# Altium PCB RabbitMask.PcbDoc (part 3 of 5) (continued)
## Classes and differential pairs
channel class LED_B: LEDB1 LEDB2 LEDB3 LEDB4 LEDB5 LEDB6 LEDB7 LEDB8 LEDB9 LEDB10 LEDB11 LEDB12 LEDB13 LEDB14 LEDB15 LEDB16 LEDB17 LEDB18 LEDB19 LEDB20 LEDB21 LEDB22 LEDB23 LEDB24 LEDB25 LEDB26 LEDB27 LEDB28 LEDB29 LEDB30 LEDB31 LEDB32 LEDB33 LEDB34 LEDB35 LEDB36 LEDB37 LEDB38 LEDB39 LEDB40 LEDB41 LEDB42 LEDB43 LEDB44 LEDB45 LEDB46 LEDB47 LEDB48 LEDB49 LEDB50 LEDB51 LEDB52 LEDB53 LEDB54 LEDB55 LEDB56 LEDB57 LEDB58 LEDB59 LEDB60 LEDB61 LEDB62 LEDB63 LEDB64 LEDB65 LEDB66 LEDB67 LEDB68 LEDB69 LEDB70 LEDB71 LEDB72 LEDB73 LEDB74 LEDB75 LEDB76 LEDB77 LEDB78 LEDB79 LEDB80 LEDB81 LEDB82 LEDB83 LEDB84 LEDB85 LEDB86 LEDB87 LEDB88 LEDB89 LEDB90 LEDB91 LEDB92 LEDB93 LEDB94 LEDB95 LEDB96 LEDB97 LEDB98 LEDB99 LEDB100 LEDB101 LEDB102 LEDB103 LEDB104 LEDB105 LEDB106 LEDB107 LEDB108 LEDB109 LEDB110 LEDB111 LEDB112 LEDB113 LEDB114 LEDB115 LEDB116 LEDB117 LEDB118 LEDB119 LEDB120 LEDB121 LEDB122 LEDB123 LEDB124 LEDB125 LEDB126 LEDB127 LEDB128 LEDB129 LEDB130 LEDB131 LEDB132 LEDB133 LEDB134 LEDB135 LEDB136 LEDB137 LEDB138 LEDB139 LEDB140 LEDB141 LEDB142 LEDB143 LEDB144 LEDB145 LEDB146 LEDB147 LEDB148 LEDB149 LEDB150 LEDB151 LEDB152 LEDB153 LEDB154 LEDB155 LEDB156 LEDB157 LEDB158 LEDB159 LEDB160 LEDB161 LEDB162 LEDB163 LEDB164 LEDB165 LEDB166 LEDB167 LEDB168 LEDB169 LEDB170 LEDB171 LEDB172 LEDB173 LEDB174 LEDB175 LEDB176 LEDB177 LEDB178 LEDB179 LEDB180 LEDB181 LEDB182 LEDB183 LEDB184 LEDB185 LEDB186 LEDB187 LEDB188 LEDB189 LEDB190 LEDB191 LEDB192 LEDB193 LEDB194 LEDB195 LEDB196 LEDB197 LEDB198 LEDB199 LEDB200 LEDB201 LEDB202 LEDB203 LEDB204 LEDB205 LEDB206 LEDB207 LEDB208 LEDB209 LEDB210 LEDB211 LEDB212 LEDB213 LEDB214 LEDB215 LEDB216 LEDB217 LEDB218 LEDB219 LEDB220 LEDB221 LEDB222 LEDB223 LEDB224 LEDB225 LEDB226 LEDB227 LEDB228 LEDB229 LEDB230 LEDB231 LEDB232 LEDB233 LEDB234 LEDB235 LEDB236 LEDB237 LEDB238 LEDB239 LEDB240 LEDB241 LEDB242 LEDB243 LEDB244 LEDB245 LEDB246 LEDB247 LEDB248 LEDB249 LEDB250 LEDB251 LEDB252 LEDB253 LEDB254 LEDB255 LEDB256 LEDB257 LEDB258 LEDB259 LEDB260 LEDB261 LEDB262 LEDB263 LEDB264 LEDB265 LEDB266 LEDB267 LEDB268 LEDB269 LEDB270 LEDB271 LEDB272 LEDB273 LEDB274 LEDB275 LEDB276 LEDB277 LEDB278 LEDB279 LEDB280 LEDB281 LEDB282 LEDB283 LEDB284 LEDB285 LEDB286 LEDB287 LEDB288 LEDB289 LEDB290 LEDB291 LEDB292 LEDB293 LEDB294 LEDB295 LEDB296 LEDB297 LEDB298 LEDB299
channel class LED_A: LEDA1 LEDA2 LEDA3 LEDA4 LEDA5 LEDA6 LEDA7 LEDA8 LEDA9 LEDA10 LEDA11 LEDA12 LEDA13 LEDA14 LEDA15 LEDA16 LEDA17 LEDA18 LEDA19 LEDA20 LEDA21 LEDA22 LEDA23 LEDA24 LEDA25 LEDA26 LEDA27 LEDA28 LEDA29 LEDA30 LEDA31 LEDA32 LEDA33 LEDA34 LEDA35 LEDA36 LEDA37 LEDA38 LEDA39 LEDA40 LEDA41 LEDA42 LEDA43 LEDA44 LEDA45 LEDA46 LEDA47 LEDA48 LEDA49 LEDA50 LEDA51 LEDA52 LEDA53 LEDA54 LEDA55 LEDA56 LEDA57 LEDA58 LEDA59 LEDA60 LEDA61 LEDA62 LEDA63 LEDA64 LEDA65 LEDA66 LEDA67 LEDA68 LEDA69 LEDA70 LEDA71 LEDA72 LEDA73 LEDA74 LEDA75 LEDA76 LEDA77 LEDA78 LEDA79 LEDA80 LEDA81 LEDA82 LEDA83 LEDA84 LEDA85 LEDA86 LEDA87 LEDA88 LEDA89 LEDA90 LEDA91 LEDA92 LEDA93 LEDA94 LEDA95 LEDA96 LEDA97 LEDA98 LEDA99 LEDA100 LEDA101 LEDA102 LEDA103 LEDA104 LEDA105 LEDA106 LEDA107 LEDA108 LEDA109 LEDA110 LEDA111 LEDA112 LEDA113 LEDA114 LEDA115 LEDA116 LEDA117 LEDA118 LEDA119 LEDA120 LEDA121 LEDA122 LEDA123 LEDA124 LEDA125 LEDA126 LEDA127 LEDA128 LEDA129 LEDA130 LEDA131 LEDA132 LEDA133 LEDA134 LEDA135 LEDA136 LEDA137 LEDA138 LEDA139 LEDA140 LEDA141 LEDA142 LEDA143 LEDA144 LEDA145 LEDA146 LEDA147 LEDA148 LEDA149 LEDA150 LEDA151 LEDA152 LEDA153 LEDA154 LEDA155 LEDA156 LEDA157 LEDA158 LEDA159 LEDA160 LEDA161 LEDA162 LEDA163 LEDA164 LEDA165 LEDA166 LEDA167 LEDA168 LEDA169 LEDA170 LEDA171 LEDA172 LEDA173 LEDA174 LEDA175 LEDA176 LEDA177 LEDA178 LEDA179 LEDA180 LEDA181 LEDA182 LEDA183 LEDA184 LEDA185 LEDA186 LEDA187 LEDA188 LEDA189 LEDA190 LEDA191 LEDA192 LEDA193 LEDA194 LEDA195 LEDA196 LEDA197 LEDA198 LEDA199 LEDA200 LEDA201 LEDA202 LEDA203 LEDA204 LEDA205 LEDA206 LEDA207 LEDA208 LEDA209 LEDA210 LEDA211 LEDA212 LEDA213 LEDA214 LEDA215 LEDA216 LEDA217 LEDA218 LEDA219 LEDA220 LEDA221 LEDA222 LEDA223 LEDA224 LEDA225 LEDA226 LEDA227 LEDA228 LEDA229 LEDA230 LEDA231 LEDA232 LEDA233 LEDA234 LEDA235 LEDA236 LEDA237 LEDA238 LEDA239 LEDA240 LEDA241 LEDA242 LEDA243 LEDA244 LEDA245 LEDA246 LEDA247 LEDA248 LEDA249 LEDA250 LEDA251 LEDA252 LEDA253 LEDA254 LEDA255 LEDA256 LEDA257 LEDA258 LEDA259 LEDA260 LEDA261 LEDA262 LEDA263 LEDA264 LEDA265 LEDA266 LEDA267 LEDA268 LEDA269 LEDA270 LEDA271 LEDA272 LEDA273 LEDA274 LEDA275 LEDA276 LEDA277 LEDA278 LEDA279 LEDA280 LEDA281 LEDA282 LEDA283 LEDA284 LEDA285 LEDA286 LEDA287 LEDA288 LEDA289 LEDA290 LEDA291 LEDA292 LEDA293 LEDA294 LEDA295 LEDA296 LEDA297 LEDA298 LEDA299
net class B_DI[2..299]: B_DI2 B_DI3 B_DI4 B_DI5 B_DI6 B_DI7 B_DI8 B_DI9 B_DI10 B_DI11 B_DI12 B_DI13 B_DI14 B_DI15 B_DI16 B_DI17 B_DI18 B_DI19 B_DI20 B_DI21 B_DI22 B_DI23 B_DI24 B_DI25 B_DI26 B_DI27 B_DI28 B_DI29 B_DI30 B_DI31 B_DI32 B_DI33 B_DI34 B_DI35 B_DI36 B_DI37 B_DI38 B_DI39 B_DI40 B_DI41 B_DI42 B_DI43 B_DI44 B_DI45 B_DI46 B_DI47 B_DI48 B_DI49 B_DI50 B_DI51 B_DI52 B_DI53 B_DI54 B_DI55 B_DI56 B_DI57 B_DI58 B_DI59 B_DI60 B_DI61 B_DI62 B_DI63 B_DI64 B_DI65 B_DI66 B_DI67 B_DI68 B_DI69 B_DI70 B_DI71 B_DI72 B_DI73 B_DI74 B_DI75 B_DI76 B_DI77 B_DI78 B_DI79 B_DI80 B_DI81 B_DI82 B_DI83 B_DI84 B_DI85 B_DI86 B_DI87 B_DI88 B_DI89 B_DI90 B_DI91 B_DI92 B_DI93 B_DI94 B_DI95 B_DI96 B_DI97 B_DI98 B_DI99 B_DI100 B_DI101 B_DI102 B_DI103 B_DI104 B_DI105 B_DI106 B_DI107 B_DI108 B_DI109 B_DI110 B_DI111 B_DI112 B_DI113 B_DI114 B_DI115 B_DI116 B_DI117 B_DI118 B_DI119 B_DI120 B_DI121 B_DI122 B_DI123 B_DI124 B_DI125 B_DI126 B_DI127 B_DI128 B_DI129 B_DI130 B_DI131 B_DI132 B_DI133 B_DI134 B_DI135 B_DI136 B_DI137 B_DI138 B_DI139 B_DI140 B_DI141 B_DI142 B_DI143 B_DI144 B_DI145 B_DI146 B_DI147 B_DI148 B_DI149 B_DI150 B_DI151 B_DI152 B_DI153 B_DI154 B_DI155 B_DI156 B_DI157 B_DI158 B_DI159 B_DI160 B_DI161 B_DI162 B_DI163 B_DI164 B_DI165 B_DI166 B_DI167 B_DI168 B_DI169 B_DI170 B_DI171 B_DI172 B_DI173 B_DI174 B_DI175 B_DI176 B_DI177 B_DI178 B_DI179 B_DI180 B_DI181 B_DI182 B_DI183 B_DI184 B_DI185 B_DI186 B_DI187 B_DI188 B_DI189 B_DI190 B_DI191 B_DI192 B_DI193 B_DI194 B_DI195 B_DI196 B_DI197 B_DI198 B_DI199 B_DI200 B_DI201 B_DI202 B_DI203 B_DI204 B_DI205 B_DI206 B_DI207 B_DI208 B_DI209 B_DI210 B_DI211 B_DI212 B_DI213 B_DI214 B_DI215 B_DI216 B_DI217 B_DI218 B_DI219 B_DI220 B_DI221 B_DI222 B_DI223 B_DI224 B_DI225 B_DI226 B_DI227 B_DI228 B_DI229 B_DI230 B_DI231 B_DI232 B_DI233 B_DI234 B_DI235 B_DI236 B_DI237 B_DI238 B_DI239 B_DI240 B_DI241 B_DI242 B_DI243 B_DI244 B_DI245 B_DI246 B_DI247 B_DI248 B_DI249 B_DI250 B_DI251 B_DI252 B_DI253 B_DI254 B_DI255 B_DI256 B_DI257 B_DI258 B_DI259 B_DI260 B_DI261 B_DI262 B_DI263 B_DI264 B_DI265 B_DI266 B_DI267 B_DI268 B_DI269 B_DI270 B_DI271 B_DI272 B_DI273 B_DI274 B_DI275 B_DI276 B_DI277 B_DI278 B_DI279 B_DI280 B_DI281 B_DI282 B_DI283 B_DI284 B_DI285 B_DI286 B_DI287 B_DI288 B_DI289 B_DI290 B_DI291 B_DI292 B_DI293 B_DI294 B_DI295 B_DI296 B_DI297 B_DI298 B_DI299
net class B_CI[2..299]: B_CI2 B_CI3 B_CI4 B_CI5 B_CI6 B_CI7 B_CI8 B_CI9 B_CI10 B_CI11 B_CI12 B_CI13 B_CI14 B_CI15 B_CI16 B_CI17 B_CI18 B_CI19 B_CI20 B_CI21 B_CI22 B_CI23 B_CI24 B_CI25 B_CI26 B_CI27 B_CI28 B_CI29 B_CI30 B_CI31 B_CI32 B_CI33 B_CI34 B_CI35 B_CI36 B_CI37 B_CI38 B_CI39 B_CI40 B_CI41 B_CI42 B_CI43 B_CI44 B_CI45 B_CI46 B_CI47 B_CI48 B_CI49 B_CI50 B_CI51 B_CI52 B_CI53 B_CI54 B_CI55 B_CI56 B_CI57 B_CI58 B_CI59 B_CI60 B_CI61 B_CI62 B_CI63 B_CI64 B_CI65 B_CI66 B_CI67 B_CI68 B_CI69 B_CI70 B_CI71 B_CI72 B_CI73 B_CI74 B_CI75 B_CI76 B_CI77 B_CI78 B_CI79 B_CI80 B_CI81 B_CI82 B_CI83 B_CI84 B_CI85 B_CI86 B_CI87 B_CI88 B_CI89 B_CI90 B_CI91 B_CI92 B_CI93 B_CI94 B_CI95 B_CI96 B_CI97 B_CI98 B_CI99 B_CI100 B_CI101 B_CI102 B_CI103 B_CI104 B_CI105 B_CI106 B_CI107 B_CI108 B_CI109 B_CI110 B_CI111 B_CI112 B_CI113 B_CI114 B_CI115 B_CI116 B_CI117 B_CI118 B_CI119 B_CI120 B_CI121 B_CI122 B_CI123 B_CI124 B_CI125 B_CI126 B_CI127 B_CI128 B_CI129 B_CI130 B_CI131 B_CI132 B_CI133 B_CI134 B_CI135 B_CI136 B_CI137 B_CI138 B_CI139 B_CI140 B_CI141 B_CI142 B_CI143 B_CI144 B_CI145 B_CI146 B_CI147 B_CI148 B_CI149 B_CI150 B_CI151 B_CI152 B_CI153 B_CI154 B_CI155 B_CI156 B_CI157 B_CI158 B_CI159 B_CI160 B_CI161 B_CI162 B_CI163 B_CI164 B_CI165 B_CI166 B_CI167 B_CI168 B_CI169 B_CI170 B_CI171 B_CI172 B_CI173 B_CI174 B_CI175 B_CI176 B_CI177 B_CI178 B_CI179 B_CI180 B_CI181 B_CI182 B_CI183 B_CI184 B_CI185 B_CI186 B_CI187 B_CI188 B_CI189 B_CI190 B_CI191 B_CI192 B_CI193 B_CI194 B_CI195 B_CI196 B_CI197 B_CI198 B_CI199 B_CI200 B_CI201 B_CI202 B_CI203 B_CI204 B_CI205 B_CI206 B_CI207 B_CI208 B_CI209 B_CI210 B_CI211 B_CI212 B_CI213 B_CI214 B_CI215 B_CI216 B_CI217 B_CI218 B_CI219 B_CI220 B_CI221 B_CI222 B_CI223 B_CI224 B_CI225 B_CI226 B_CI227 B_CI228 B_CI229 B_CI230 B_CI231 B_CI232 B_CI233 B_CI234 B_CI235 B_CI236 B_CI237 B_CI238 B_CI239 B_CI240 B_CI241 B_CI242 B_CI243 B_CI244 B_CI245 B_CI246 B_CI247 B_CI248 B_CI249 B_CI250 B_CI251 B_CI252 B_CI253 B_CI254 B_CI255 B_CI256 B_CI257 B_CI258 B_CI259 B_CI260 B_CI261 B_CI262 B_CI263 B_CI264 B_CI265 B_CI266 B_CI267 B_CI268 B_CI269 B_CI270 B_CI271 B_CI272 B_CI273 B_CI274 B_CI275 B_CI276 B_CI277 B_CI278 B_CI279 B_CI280 B_CI281 B_CI282 B_CI283 B_CI284 B_CI285 B_CI286 B_CI287 B_CI288 B_CI289 B_CI290 B_CI291 B_CI292 B_CI293 B_CI294 B_CI295 B_CI296 B_CI297 B_CI298 B_CI299
net class DI[2..299]: DI2 DI3 DI4 DI5 DI6 DI7 DI8 DI9 DI10 DI11 DI12 DI13 DI14 DI15 DI16 DI17 DI18 DI19 DI20 DI21 DI22 DI23 DI24 DI25 DI26 DI27 DI28 DI29 DI30 DI31 DI32 DI33 DI34 DI35 DI36 DI37 DI38 DI39 DI40 DI41 DI42 DI43 DI44 DI45 DI46 DI47 DI48 DI49 DI50 DI51 DI52 DI53 DI54 DI55 DI56 DI57 DI58 DI59 DI60 DI61 DI62 DI63 DI64 DI65 DI66 DI67 DI68 DI69 DI70 DI71 DI72 DI73 DI74 DI75 DI76 DI77 DI78 DI79 DI80 DI81 DI82 DI83 DI84 DI85 DI86 DI87 DI88 DI89 DI90 DI91 DI92 DI93 DI94 DI95 DI96 DI97 DI98 DI99 DI100 DI101 DI102 DI103 DI104 DI105 DI106 DI107 DI108 DI109 DI110 DI111 DI112 DI113 DI114 DI115 DI116 DI117 DI118 DI119 DI120 DI121 DI122 DI123 DI124 DI125 DI126 DI127 DI128 DI129 DI130 DI131 DI132 DI133 DI134 DI135 DI136 DI137 DI138 DI139 DI140 DI141 DI142 DI143 DI144 DI145 DI146 DI147 DI148 DI149 DI150 DI151 DI152 DI153 DI154 DI155 DI156 DI157 DI158 DI159 DI160 DI161 DI162 DI163 DI164 DI165 DI166 DI167 DI168 DI169 DI170 DI171 DI172 DI173 DI174 DI175 DI176 DI177 DI178 DI179 DI180 DI181 DI182 DI183 DI184 DI185 DI186 DI187 DI188 DI189 DI190 DI191 DI192 DI193 DI194 DI195 DI196 DI197 DI198 DI199 DI200 DI201 DI202 DI203 DI204 DI205 DI206 DI207 DI208 DI209 DI210 DI211 DI212 DI213 DI214 DI215 DI216 DI217 DI218 DI219 DI220 DI221 DI222 DI223 DI224 DI225 DI226 DI227 DI228 DI229 DI230 DI231 DI232 DI233 DI234 DI235 DI236 DI237 DI238 DI239 DI240 DI241 DI242 DI243 DI244 DI245 DI246 DI247 DI248 DI249 DI250 DI251 DI252 DI253 DI254 DI255 DI256 DI257 DI258 DI259 DI260 DI261 DI262 DI263 DI264 DI265 DI266 DI267 DI268 DI269 DI270 DI271 DI272 DI273 DI274 DI275 DI276 DI277 DI278 DI279 DI280 DI281 DI282 DI283 DI284 DI285 DI286 DI287 DI288 DI289 DI290 DI291 DI292 DI293 DI294 DI295 DI296 DI297 DI298 DI299
net class CI[2..299]: CI2 CI3 CI4 CI5 CI6 CI7 CI8 CI9 CI10 CI11 CI12 CI13 CI14 CI15 CI16 CI17 CI18 CI19 CI20 CI21 CI22 CI23 CI24 CI25 CI26 CI27 CI28 CI29 CI30 CI31 CI32 CI33 CI34 CI35 CI36 CI37 CI38 CI39 CI40 CI41 CI42 CI43 CI44 CI45 CI46 CI47 CI48 CI49 CI50 CI51 CI52 CI53 CI54 CI55 CI56 CI57 CI58 CI59 CI60 CI61 CI62 CI63 CI64 CI65 CI66 CI67 CI68 CI69 CI70 CI71 CI72 CI73 CI74 CI75 CI76 CI77 CI78 CI79 CI80 CI81 CI82 CI83 CI84 CI85 CI86 CI87 CI88 CI89 CI90 CI91 CI92 CI93 CI94 CI95 CI96 CI97 CI98 CI99 CI100 CI101 CI102 CI103 CI104 CI105 CI106 CI107 CI108 CI109 CI110 CI111 CI112 CI113 CI114 CI115 CI116 CI117 CI118 CI119 CI120 CI121 CI122 CI123 CI124 CI125 CI126 CI127 CI128 CI129 CI130 CI131 CI132 CI133 CI134 CI135 CI136 CI137 CI138 CI139 CI140 CI141 CI142 CI143 CI144 CI145 CI146 CI147 CI148 CI149 CI150 CI151 CI152 CI153 CI154 CI155 CI156 CI157 CI158 CI159 CI160 CI161 CI162 CI163 CI164 CI165 CI166 CI167 CI168 CI169 CI170 CI171 CI172 CI173 CI174 CI175 CI176 CI177 CI178 CI179 CI180 CI181 CI182 CI183 CI184 CI185 CI186 CI187 CI188 CI189 CI190 CI191 CI192 CI193 CI194 CI195 CI196 CI197 CI198 CI199 CI200 CI201 CI202 CI203 CI204 CI205 CI206 CI207 CI208 CI209 CI210 CI211 CI212 CI213 CI214 CI215 CI216 CI217 CI218 CI219 CI220 CI221 CI222 CI223 CI224 CI225 CI226 CI227 CI228 CI229 CI230 CI231 CI232 CI233 CI234 CI235 CI236 CI237 CI238 CI239 CI240 CI241 CI242 CI243 CI244 CI245 CI246 CI247 CI248 CI249 CI250 CI251 CI252 CI253 CI254 CI255 CI256 CI257 CI258 CI259 CI260 CI261 CI262 CI263 CI264 CI265 CI266 CI267 CI268 CI269 CI270 CI271 CI272 CI273 CI274 CI275 CI276 CI277 CI278 CI279 CI280 CI281 CI282 CI283 CI284 CI285 CI286 CI287 CI288 CI289 CI290 CI291 CI292 CI293 CI294 CI295 CI296 CI297 CI298 CI299

## Components (designator, comment, footprint, x,y, rotation, side; value= is the part's Value field where it differs from the comment)
U1_1 "a" LED_HD107s-2020#1 32,140 r180 top (schematic designator U1)
U1_2 "a" LED_HD107s-2020#1 36,140 r180 top (schematic designator U1)
U1_3 "a" LED_HD107s-2020#1 40,140 r180 top (schematic designator U1)
U1_4 "a" LED_HD107s-2020#1 44,140 r180 top (schematic designator U1)
U1_5 "a" LED_HD107s-2020#1 48,140 r180 top (schematic designator U1)
U1_6 "a" LED_HD107s-2020#1 52,140 r180 top (schematic designator U1)
U1_7 "a" LED_HD107s-2020#1 56,140 r180 top (schematic designator U1)
U1_8 "a" LED_HD107s-2020#1 60,140 r180 top (schematic designator U1)
U1_9 "a" LED_HD107s-2020#1 64,140 r180 top (schematic designator U1)
U1_10 "a" LED_HD107s-2020#1 68,140 r180 top (schematic designator U1)
U1_11 "a" LED_HD107s-2020#1 72,140 r180 top (schematic designator U1)
U1_12 "HD107s 2020" LED_HD107s-2020#1 367.183,33.894 r0 top (schematic designator U1)
U1_13 "HD107s 2020" LED_HD107s-2020#1 367.183,41.894 r0 top (schematic designator U1)
U1_14 "HD107s 2020" LED_HD107s-2020#1 367.183,53.894 r0 top (schematic designator U1)
U1_15 "HD107s 2020" LED_HD107s-2020#1 367.183,61.894 r0 top (schematic designator U1)
U1_16 "HD107s 2020" LED_HD107s-2020#1 367.183,69.894 r0 top (schematic designator U1)
U1_17 "HD107s 2020" LED_HD107s-2020#1 367.183,81.894 r0 top (schematic designator U1)
U1_18 "HD107s 2020" LED_HD107s-2020#1 367.183,89.894 r0 top (schematic designator U1)
U1_19 "HD107s 2020" LED_HD107s-2020#1 367.183,97.894 r0 top (schematic designator U1)
U1_20 "HD107s 2020" LED_HD107s-2020#1 367.183,109.894 r0 top (schematic designator U1)
U1_21 "HD107s 2020" LED_HD107s-2020#1 367.183,117.894 r0 top (schematic designator U1)
U1_22 "HD107s 2020" LED_HD107s-2020#1 367.183,125.894 r0 top (schematic designator U1)
U1_23 "HD107s 2020" LED_HD107s-2020#1 367.183,137.894 r0 top (schematic designator U1)
U1_24 "HD107s 2020" LED_HD107s-2020#1 367.2,144.9 r0 top (schematic designator U1)
U1_25 "HD107s 2020" LED_HD107s-2020#1 367.183,153.894 r0 top (schematic designator U1)
U1_26 "HD107s 2020" LED_HD107s-2020#1 367.183,161.894 r0 top (schematic designator U1)
U1_27 "HD107s 2020" LED_HD107s-2020#1 367.183,173.894 r0 top (schematic designator U1)
U1_28 "HD107s 2020" LED_HD107s-2020#1 367.183,181.894 r0 top (schematic designator U1)
U1_29 "HD107s 2020" LED_HD107s-2020#1 367.183,189.894 r0 top (schematic designator U1)
U1_30 "HD107s 2020" LED_HD107s-2020#1 367.183,201.894 r0 top (schematic designator U1)
U1_31 "HD107s 2020" LED_HD107s-2020#1 367.183,209.894 r0 top (schematic designator U1)
U1_32 "HD107s 2020" LED_HD107s-2020#1 367.183,217.894 r0 top (schematic designator U1)
U1_33 "HD107s 2020" LED_HD107s-2020#1 367.183,229.894 r0 top (schematic designator U1)
U1_34 "HD107s 2020" LED_HD107s-2020#1 367.183,237.894 r0 top (schematic designator U1)
U1_35 "HD107s 2020" LED_HD107s-2020#1 367.183,245.894 r0 top (schematic designator U1)
U1_36 "HD107s 2020" LED_HD107s-2020#1 367.183,257.894 r0 top (schematic designator U1)
U1_37 "HD107s 2020" LED_HD107s-2020#1 367.183,265.894 r0 top (schematic designator U1)
U1_38 "HD107s 2020" LED_HD107s-2020#1 367.183,273.894 r0 top (schematic designator U1)
U1_39 "HD107s 2020" LED_HD107s-2020#1 367.183,285.894 r0 top (schematic designator U1)
U1_40 "HD107s 2020" LED_HD107s-2020#1 367.183,293.894 r0 top (schematic designator U1)
U1_41 "HD107s 2020" LED_HD107s-2020#1 367.183,301.894 r0 top (schematic designator U1)
U1_42 "HD107s 2020" LED_HD107s-2020#1 367.183,313.894 r0 top (schematic designator U1)
U1_43 "HD107s 2020" LED_HD107s-2020#1 367.183,321.894 r0 top (schematic designator U1)
U1_44 "HD107s 2020" LED_HD107s-2020#1 367.183,329.894 r0 top (schematic designator U1)
U1_45 "HD107s 2020" LED_HD107s-2020#1 367.183,341.894 r0 top (schematic designator U1)
U1_46 "HD107s 2020" LED_HD107s-2020#1 367.183,349.894 r0 top (schematic designator U1)
U1_47 "HD107s 2020" LED_HD107s-2020#1 367.183,357.894 r0 top (schematic designator U1)
U1_48 "HD107s 2020" LED_HD107s-2020#1 367.183,365.894 r0 top (schematic designator U1)
U1_49 "HD107s 2020" LED_HD107s-2020#1 367.183,377.894 r0 top (schematic designator U1)
U1_50 "HD107s 2020" LED_HD107s-2020#1 367.183,385.894 r0 top (schematic designator U1)
U1_51 "HD107s 2020" LED_HD107s-2020#1 367.183,393.894 r0 top (schematic designator U1)
U1_52 "HD107s 2020" LED_HD107s-2020#1 367.183,405.894 r0 top (schematic designator U1)
U1_53 "HD107s 2020" LED_HD107s-2020#1 367.183,413.894 r0 top (schematic designator U1)
U1_54 "HD107s 2020" LED_HD107s-2020#1 367.183,421.894 r0 top (schematic designator U1)
U1_55 "HD107s 2020" LED_HD107s-2020#1 367.183,433.894 r0 top (schematic designator U1)
U1_56 "HD107s 2020" LED_HD107s-2020#1 367.183,441.894 r0 top (schematic designator U1)
U1_57 "HD107s 2020" LED_HD107s-2020#1 367.183,449.894 r0 top (schematic designator U1)
U1_58 "HD107s 2020" LED_HD107s-2020#1 367.183,461.894 r0 top (schematic designator U1)
U1_59 "HD107s 2020" LED_HD107s-2020#1 367.183,469.894 r0 top (schematic designator U1)
U1_60 "HD107s 2020" LED_HD107s-2020#1 367.183,477.894 r0 top (schematic designator U1)
U1_61 "HD107s 2020" LED_HD107s-2020#1 367.183,489.894 r0 top (schematic designator U1)
U1_62 "HD107s 2020" LED_HD107s-2020#1 367.183,497.894 r0 top (schematic designator U1)
U1_63 "HD107s 2020" LED_HD107s-2020#1 367.183,505.894 r0 top (schematic designator U1)
U1_64 "HD107s 2020" LED_HD107s-2020#1 367.183,517.894 r0 top (schematic designator U1)
U1_65 "HD107s 2020" LED_HD107s-2020#1 367.183,525.894 r0 top (schematic designator U1)
U1_66 "HD107s 2020" LED_HD107s-2020#1 367.183,533.894 r0 top (schematic designator U1)
U1_67 "HD107s 2020" LED_HD107s-2020#1 367.183,545.894 r0 top (schematic designator U1)
U1_68 "HD107s 2020" LED_HD107s-2020#1 367.183,553.894 r0 top (schematic designator U1)
U1_69 "HD107s 2020" LED_HD107s-2020#1 367.183,561.894 r0 top (schematic designator U1)
U1_70 "HD107s 2020" LED_HD107s-2020#1 367.183,569.894 r0 top (schematic designator U1)
U1_71 "HD107s 2020" LED_HD107s-2020#1 367.183,581.894 r0 top (schematic designator U1)
U1_72 "HD107s 2020" LED_HD107s-2020#1 367.183,589.894 r0 top (schematic designator U1)
U1_73 "HD107s 2020" LED_HD107s-2020#1 367.183,597.894 r0 top (schematic designator U1)
U1_74 "HD107s 2020" LED_HD107s-2020#1 367.183,609.894 r0 top (schematic designator U1)
U1_75 "HD107s 2020" LED_HD107s-2020#1 367.183,617.894 r0 top (schematic designator U1)
U1_76 "HD107s 2020" LED_HD107s-2020#1 367.183,625.894 r0 top (schematic designator U1)
U1_77 "HD107s 2020" LED_HD107s-2020#1 367.183,637.894 r0 top (schematic designator U1)
U1_78 "HD107s 2020" LED_HD107s-2020#1 367.183,645.894 r0 top (schematic designator U1)
U1_79 "HD107s 2020" LED_HD107s-2020#1 367.183,653.894 r0 top (schematic designator U1)
U1_80 "HD107s 2020" LED_HD107s-2020#1 367.183,665.894 r0 top (schematic designator U1)
U1_81 "HD107s 2020" LED_HD107s-2020#1 367.183,673.894 r0 top (schematic designator U1)
U1_82 "HD107s 2020" LED_HD107s-2020#1 367.183,681.894 r0 top (schematic designator U1)
U1_83 "HD107s 2020" LED_HD107s-2020#1 367.183,693.894 r0 top (schematic designator U1)
U1_84 "HD107s 2020" LED_HD107s-2020#1 367.183,701.894 r0 top (schematic designator U1)
U1_85 "HD107s 2020" LED_HD107s-2020#1 367.183,709.894 r0 top (schematic designator U1)
U1_86 "HD107s 2020" LED_HD107s-2020#1 367.183,721.894 r0 top (schematic designator U1)
U1_87 "HD107s 2020" LED_HD107s-2020#1 367.183,729.894 r0 top (schematic designator U1)
U1_88 "HD107s 2020" LED_HD107s-2020#1 367.183,737.894 r0 top (schematic designator U1)
U1_89 "HD107s 2020" LED_HD107s-2020#1 367.183,745.894 r0 top (schematic designator U1)
U1_90 "HD107s 2020" LED_HD107s-2020#1 367.183,757.894 r0 top (schematic designator U1)
U1_91 "HD107s 2020" LED_HD107s-2020#1 367.183,765.894 r0 top (schematic designator U1)
U1_92 "HD107s 2020" LED_HD107s-2020#1 367.183,773.894 r0 top (schematic designator U1)
U1_93 "HD107s 2020" LED_HD107s-2020#1 367.183,785.894 r0 top (schematic designator U1)
U1_94 "HD107s 2020" LED_HD107s-2020#1 367.183,793.894 r0 top (schematic designator U1)
U1_95 "HD107s 2020" LED_HD107s-2020#1 367.183,801.894 r0 top (schematic designator U1)
U1_96 "HD107s 2020" LED_HD107s-2020#1 367.183,813.894 r0 top (schematic designator U1)
U1_97 "HD107s 2020" LED_HD107s-2020#1 367.183,821.894 r0 top (schematic designator U1)
U1_98 "HD107s 2020" LED_HD107s-2020#1 367.183,829.894 r0 top (schematic designator U1)
U1_99 "HD107s 2020" LED_HD107s-2020#1 367.183,841.894 r0 top (schematic designator U1)
U1_100 "HD107s 2020" LED_HD107s-2020#1 367.183,849.894 r0 top (schematic designator U1)
U1_101 "HD107s 2020" LED_HD107s-2020#1 367.183,857.894 r0 top (schematic designator U1)
U1_102 "HD107s 2020" LED_HD107s-2020#1 367.183,869.894 r0 top (schematic designator U1)
U1_103 "HD107s 2020" LED_HD107s-2020#1 367.183,877.894 r0 top (schematic designator U1)
U1_104 "HD107s 2020" LED_HD107s-2020#1 367.183,885.894 r0 top (schematic designator U1)
U1_105 "HD107s 2020" LED_HD107s-2020#1 367.183,897.894 r0 top (schematic designator U1)
U1_106 "HD107s 2020" LED_HD107s-2020#1 367.183,905.894 r0 top (schematic designator U1)
U1_107 "HD107s 2020" LED_HD107s-2020#1 367.183,913.894 r0 top (schematic designator U1)
U1_108 "HD107s 2020" LED_HD107s-2020#1 367.183,925.894 r0 top (schematic designator U1)
U1_109 "HD107s 2020" LED_HD107s-2020#1 367.183,933.894 r0 top (schematic designator U1)
U1_110 "HD107s 2020" LED_HD107s-2020#1 367.183,941.894 r0 top (schematic designator U1)
U1_111 "HD107s 2020" LED_HD107s-2020#1 367.183,949.894 r0 top (schematic designator U1)
U1_112 "HD107s 2020" LED_HD107s-2020#1 367.183,961.894 r0 top (schematic designator U1)
U1_113 "HD107s 2020" LED_HD107s-2020#1 367.183,969.894 r0 top (schematic designator U1)
U1_114 "HD107s 2020" LED_HD107s-2020#1 367.183,977.894 r0 top (schematic designator U1)
U1_115 "HD107s 2020" LED_HD107s-2020#1 367.183,989.894 r0 top (schematic designator U1)
U1_116 "HD107s 2020" LED_HD107s-2020#1 367.183,997.894 r0 top (schematic designator U1)
U1_117 "HD107s 2020" LED_HD107s-2020#1 367.183,1005.894 r0 top (schematic designator U1)
U1_118 "HD107s 2020" LED_HD107s-2020#1 367.183,1017.894 r0 top (schematic designator U1)
U1_119 "HD107s 2020" LED_HD107s-2020#1 367.183,1025.894 r0 top (schematic designator U1)
U1_120 "HD107s 2020" LED_HD107s-2020#1 367.183,1033.894 r0 top (schematic designator U1)
U1_121 "HD107s 2020" LED_HD107s-2020#1 367.183,1045.894 r0 top (schematic designator U1)
U1_122 "HD107s 2020" LED_HD107s-2020#1 367.183,1053.894 r0 top (schematic designator U1)
U1_123 "HD107s 2020" LED_HD107s-2020#1 367.183,1061.894 r0 top (schematic designator U1)
U1_124 "HD107s 2020" LED_HD107s-2020#1 367.183,1073.894 r0 top (schematic designator U1)
U1_125 "HD107s 2020" LED_HD107s-2020#1 367.183,1081.894 r0 top (schematic designator U1)
U1_126 "HD107s 2020" LED_HD107s-2020#1 367.183,1089.894 r0 top (schematic designator U1)
U1_127 "HD107s 2020" LED_HD107s-2020#1 367.183,1101.894 r0 top (schematic designator U1)
U1_128 "HD107s 2020" LED_HD107s-2020#1 367.183,1109.894 r0 top (schematic designator U1)
U1_129 "HD107s 2020" LED_HD107s-2020#1 367.183,1117.894 r0 top (schematic designator U1)
U1_130 "HD107s 2020" LED_HD107s-2020#1 367.183,1129.894 r0 top (schematic designator U1)
U1_131 "HD107s 2020" LED_HD107s-2020#1 367.183,1137.894 r0 top (schematic designator U1)
U1_132 "HD107s 2020" LED_HD107s-2020#1 367.183,1145.894 r0 top (schematic designator U1)
U1_133 "HD107s 2020" LED_HD107s-2020#1 367.183,1153.894 r0 top (schematic designator U1)
U1_134 "HD107s 2020" LED_HD107s-2020#1 367.183,1165.894 r0 top (schematic designator U1)
U1_135 "HD107s 2020" LED_HD107s-2020#1 367.183,1173.894 r0 top (schematic designator U1)
U1_136 "HD107s 2020" LED_HD107s-2020#1 367.183,1181.894 r0 top (schematic designator U1)
U1_137 "HD107s 2020" LED_HD107s-2020#1 367.183,1193.894 r0 top (schematic designator U1)
U1_138 "HD107s 2020" LED_HD107s-2020#1 367.183,1201.894 r0 top (schematic designator U1)
U1_139 "HD107s 2020" LED_HD107s-2020#1 367.183,1209.894 r0 top (schematic designator U1)
U1_140 "HD107s 2020" LED_HD107s-2020#1 367.183,1221.894 r0 top (schematic designator U1)
U1_141 "HD107s 2020" LED_HD107s-2020#1 367.183,1229.894 r0 top (schematic designator U1)
U1_142 "HD107s 2020" LED_HD107s-2020#1 367.183,1237.894 r0 top (schematic designator U1)
U1_143 "HD107s 2020" LED_HD107s-2020#1 367.183,1249.894 r0 top (schematic designator U1)
U1_144 "HD107s 2020" LED_HD107s-2020#1 367.183,1257.894 r0 top (schematic designator U1)
U1_145 "HD107s 2020" LED_HD107s-2020#1 367.183,1265.894 r0 top (schematic designator U1)
U1_146 "HD107s 2020" LED_HD107s-2020#1 367.183,1277.894 r0 top (schematic designator U1)
U1_147 "HD107s 2020" LED_HD107s-2020#1 367.183,1285.894 r0 top (schematic designator U1)
U1_148 "HD107s 2020" LED_HD107s-2020#1 367.183,1293.894 r0 top (schematic designator U1)